# KiCad board FrontEnd_5G.kicad_pcb (continued)
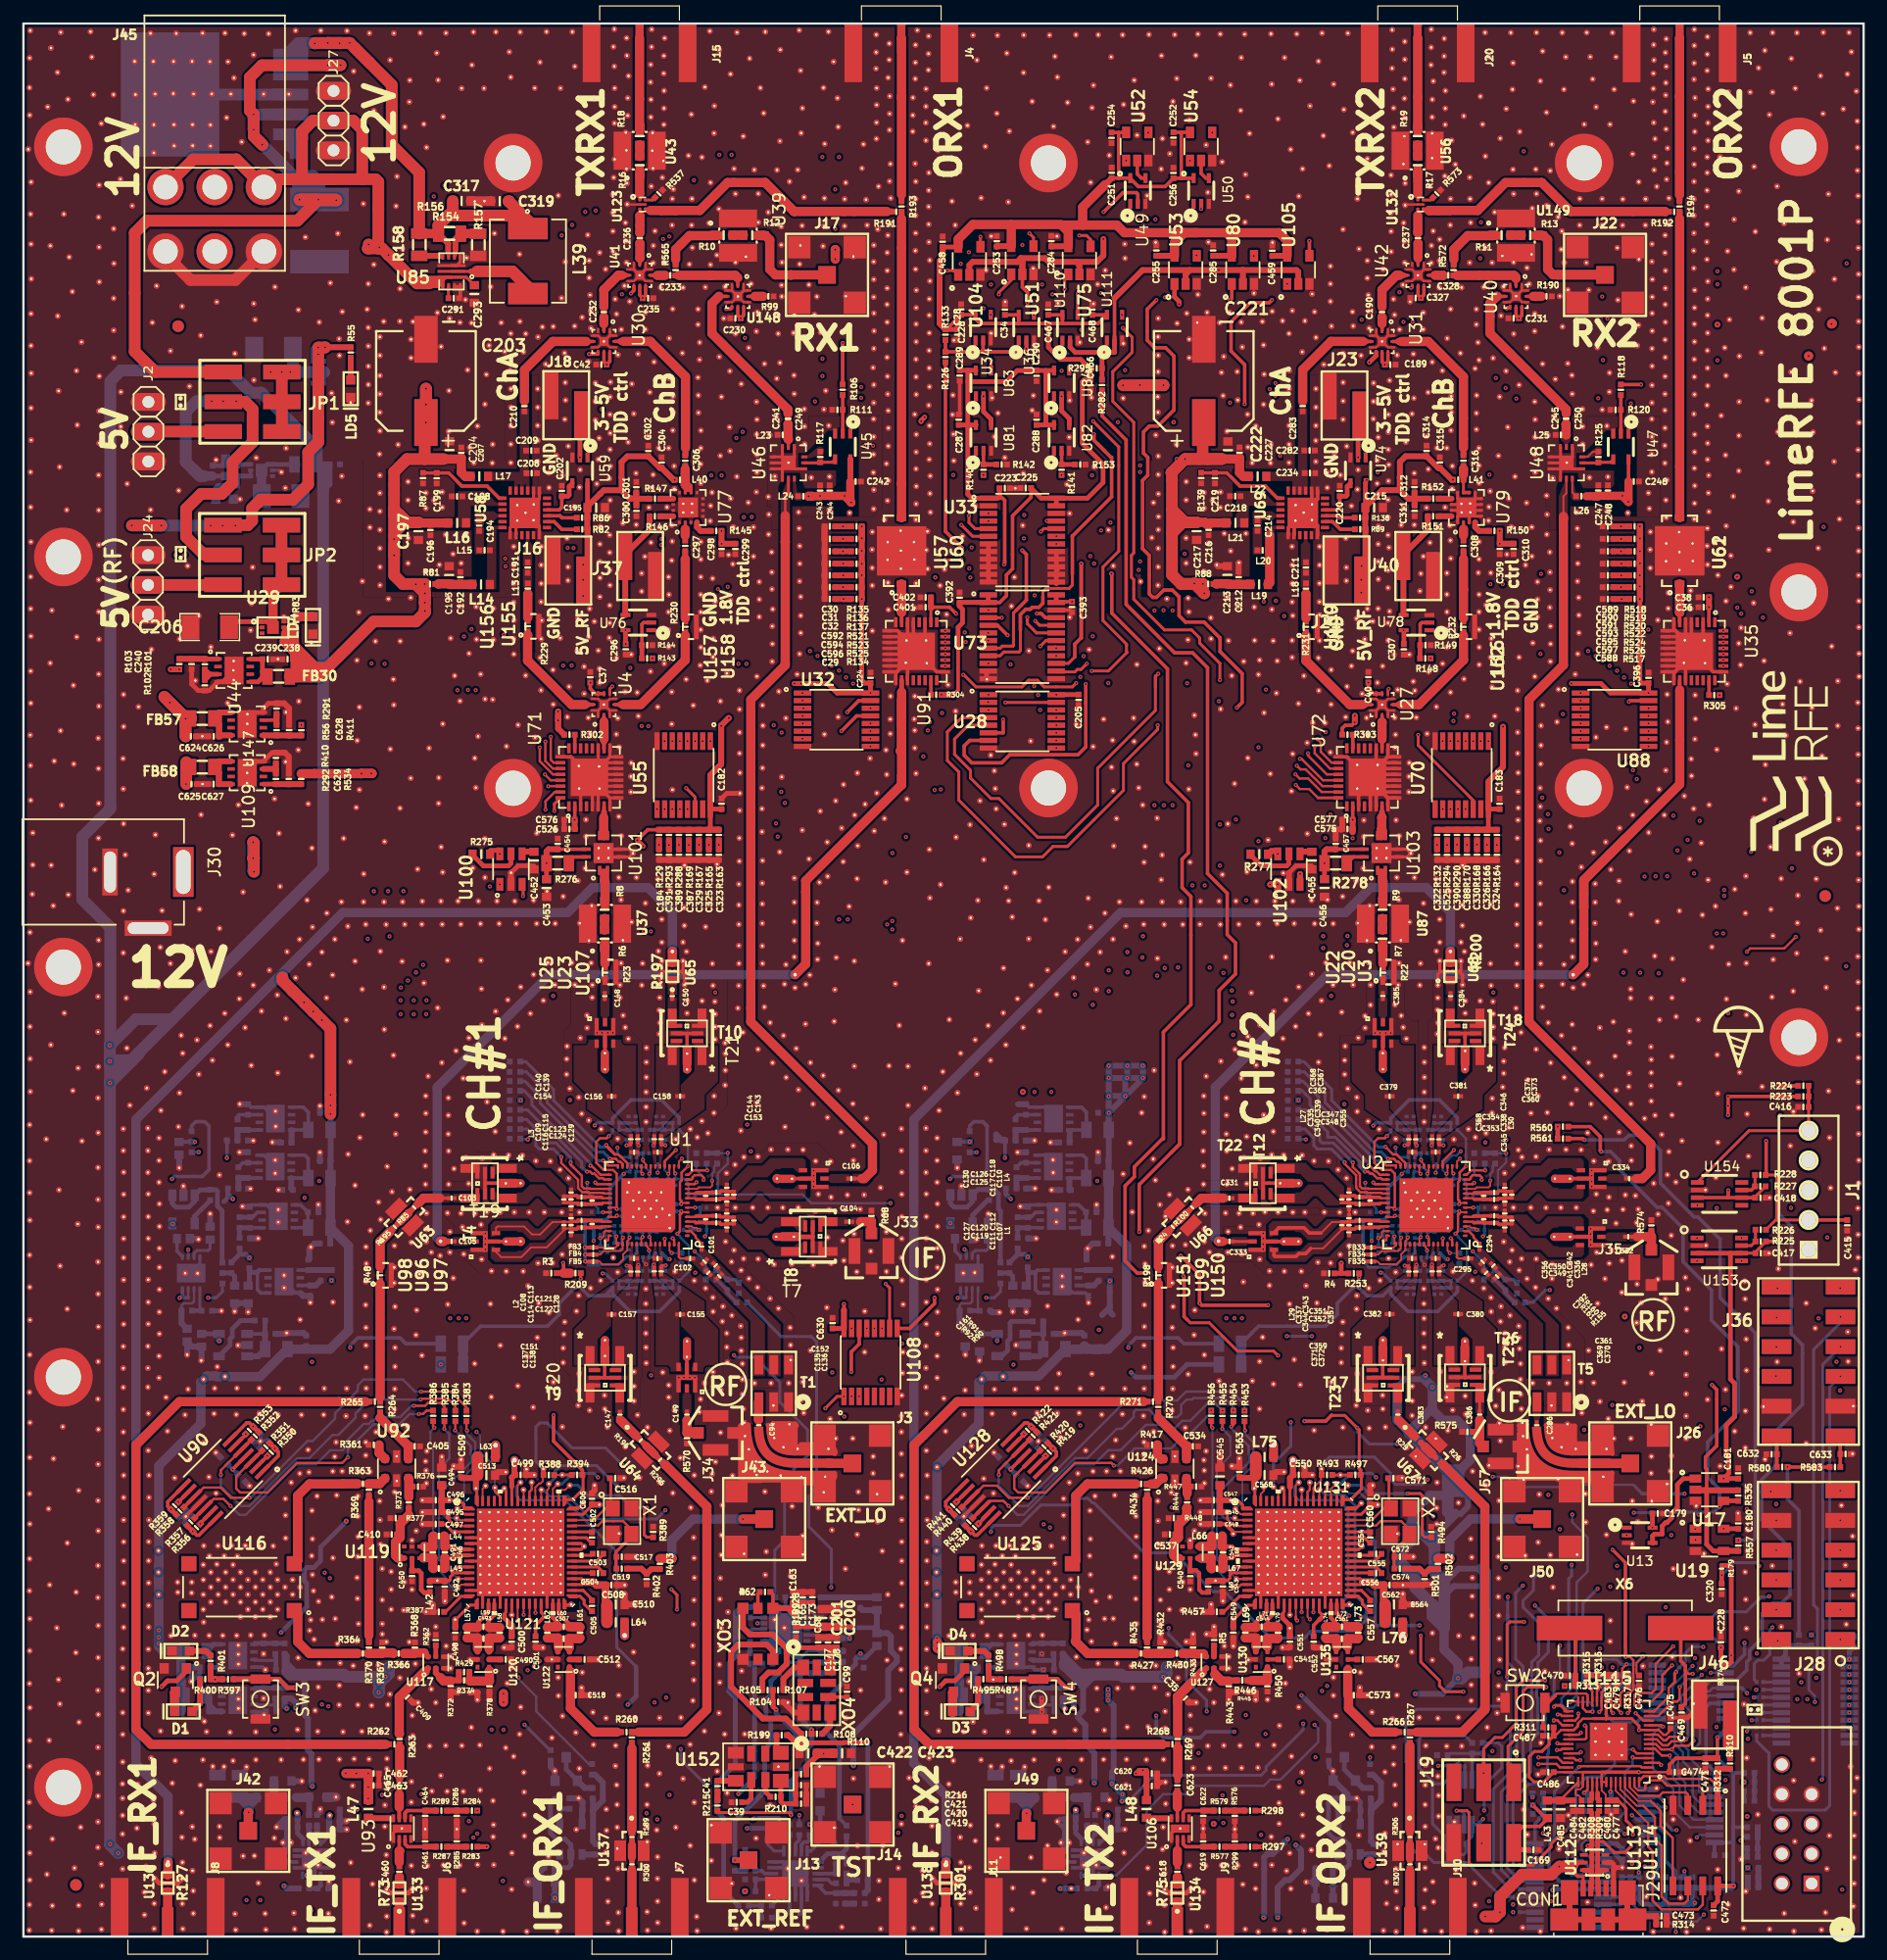
[diagram p0: board, top side]
## Routing (per net, layer and track width the routed paths; a pad name or vN(x,y) marks a point on that pad's centre or on a via; arc(x,y) is an arc through that point) (continued)
/RP2040_MCU/USB_BOOTn: length 2.9
  F.RO w0.5: R310.2 J46.1
/RP2040_MCU/USB_DM: length 1.7
  F.RO w0.2: 133.92,12.24 133.96,12.28 U115.46
  F.RO w0.4: 133.92,12.24 133.92,11.74 R308.2
/RP2040_MCU/USB_DM1: length 28.7
  F.RO w0.25: 133.92,7.73 v2(133.6,7.73)
  F.RO w0.4: CON1.2 133.92,4.2 133.92,5.37 ; 133.92,5.37 133.62,5.67 U112.6 133.92,5.67 133.92,5.66 ; 133.92,5.37 133.92,5.66 ; 133.92,5.66 133.92,7.73 ; R308.1 133.92,10.58 133.92,7.73 ; 133.92,7.73 v2(133.6,7.73)
  F.FR4 w0.25: v2(133.6,7.73) 134.28,7.05 137.3,7.05 137.45,6.9 145.58,6.9 146.19,7.5 149.71,7.5 150.15,7.06
  F.FR4 w0.5: 152.69,7.06 150.15,7.06
/RP2040_MCU/USB_DP: length 1.7
  F.RO w0.2: 134.42,12.24 134.36,12.3 U115.47
  F.RO w0.4: 134.42,12.24 134.42,11.73 R309.2
/RP2040_MCU/USB_DP1: length 27.9
  F.RO w0.25: v2(137.3,7.74) 136.75,7.19 135.83,7.19 134.9,8.12 134.42,8.12
  F.RO w0.4: CON1.3 134.42,4.17 134.42,5.37 ; 134.42,5.37 134.72,5.67 U112.1 134.42,5.67 134.42,5.69 ; 134.42,5.37 134.42,5.69 ; 134.42,5.69 134.42,10.59 R309.1
  F.FR4 w0.25: v2(137.3,7.74) 137.48,7.56 143.59,7.56 145.05,9.01 148.26,9.01 148.85,9.61 150.15,9.61
  F.FR4 w0.5: 152.69,9.61 150.15,9.61
/RP2040_MCU/VREG_OUT_1V1: length 18.1
  F.RO w0.15: v2(135.51,12.36) 135.56,12.41 U115.50
  F.RO w0.2: C483.2 134.76,20.86 U115.23 134.76,19.37 v2(134.56,19.17) ; 135.56,13.19 U115.50 ; v2(133.28,12.27) 133.56,12.55 U115.45
  F.FR4 w0.4: v2(135.51,12.36) 134.75,13.12 134.1,13.12 133.28,12.3 v2(133.28,12.27)
  B.FR4 w0.2: 134.84,18.69 134.84,18.89 v2(134.56,19.17)
  B.FR4 w0.25: 134.84,18.69 134.84,14.06 135.59,13.32 135.59,12.44 v2(135.51,12.36)
  B2.RO w0.15: v2(135.51,12.36) 135.56,12.36
  B2.RO w0.4: 133.29,12.28 133.56,12.28 ; 133.29,12.28 133.56,12.28 ; 133.29,12.28 v2(133.28,12.27) 133.29,12.28 ; 133.56,12.28 C481.2 133.56,12.28 ; 135.56,12.36 C478.2 135.56,12.36
/RP2040_MCU/XIN: length 16.7
  F.RO w0.2: 141.91,22.69 142.17,22.43 v2(142.54,22.43) ; 135.96,19.59 135.96,19.58 ; 135.96,19.59 U115.20 ; 135.96,19.59 135.96,19.56 v2(136.43,19.09)
  F.RO w0.3: C469.1 141.91,19.9 141.91,23.12 141.52,23.52 X6.1
  F.FR4 w0.2: 141.93,22.44 141.95,22.47 ; 141.93,22.44 141.54,22.06 140.91,22.06 139.02,20.17 137.19,20.17 136.43,19.41 v2(136.43,19.09) ; 141.93,22.44 142.53,22.44 v2(142.54,22.43)
/RP2040_MCU/XOUT: length 9.6
  F.RO w0.2: v2(135.73,19.07) 135.56,19.24 U115.21
  F.FR4 w0.2: v2(134.78,22.98) 134.76,22.96 133.18,22.96 131.57,21.35 v2(131.61,21.39)
  B.FR4 w0.2: v2(135.73,19.07) 134.98,19.82 134.98,22.78 ; 134.8,22.96 v2(134.78,22.98) 134.98,22.78 ; 134.8,22.96 134.79,22.96 134.8,22.96 ; 134.8,22.96 134.98,22.78
/SC1905_1/ADCIN0N(P7): length 14.5
  F.RO w0.15: v2(42.71,27.46) U121.25
  F.FR4 w0.2: v2(43.05,22.73) 42.71,23.07 v2(42.71,27.46)
  B.FR4 w0.25: v2(42.79,18.08) 41.87,19 41.87,20 42.76,20.89 42.76,21.85 43.05,22.14 v2(43.05,22.73)
  B2.RO w0.25: v2(42.79,18.08) 44.96,15.91 R381.1
/SC1905_1/ADCIN0P(P6): length 16.5
  F.RO w0.15: 42.21,26.96 42.2,26.97 42.2,28.4 U121.24
  F.FR4 w0.2: v2(42.28,22.11) 42.32,22.15 42.32,26.55 42.2,26.67 v2(42.2,26.96)
  B2.RO w0.15: 42.21,26.96 v2(42.2,26.96)
  B2.RO w0.2: R382.1 48.29,14.72 43.79,19.22 43.79,20.48 42.28,21.99 v2(42.28,22.11)
/SC1905_1/ADCIN1N(P10): length 44.8
  F.RO w0.15: v2(43.72,27.63) 43.72,28.4 U121.27
  F.RO w0.25: v2(40.94,4.75) 40.94,4.76
  F.FR4 w0.2: v2(44.08,23.51) 43.73,23.86 43.73,24.96 44.52,25.75 44.52,26.63 43.72,27.43 v2(43.72,27.63)
  F.FR4 w0.25: 41.01,4.82 v2(40.94,4.75) 30.61,4.75 30.14,5.22 v2(24.18,5.22)
  B.FR4 w0.2: 43.92,14.27 43.92,17.03 44.33,17.44 44.33,22.19 44.08,22.44 v2(44.08,23.51)
  B.FR4 w0.25: 43.92,14.27 43.92,14.09 44.16,13.85 44.16,11.43 43.94,11.21 42.18,11.21 41.32,10.35 41.32,8.48 40.94,8.1 v2(40.94,4.75)
  B2.RO w0.3: IC1.12 v2(24.18,5.22) IC1.11
/SC1905_1/ADCIN1P(P9): length 34.5
  F.RO w0.15: 43.22,27.38 43.22,28.4 U121.26 ; 43.22,27.38 43.22,27.07 ; 43.22,27.38 43.22,27.06 v2(43.31,26.97)
  F.RO w0.25: v2(28.52,10.85) 28.51,10.85 28.51,10.83
  F.FR4 w0.15: 43.34,26.94 v2(43.31,26.97) 43.34,26.94 ; 43.34,26.94 43.34,26.68
  F.FR4 w0.2: 43.34,26.94 43.34,23.3 v2(43.58,23.06)
  F.FR4 w0.25: v2(38.04,9.85) 37.65,9.85 37.3,10.2 33.47,10.2 33.4,10.27 30.25,10.27 29.67,10.85 v2(28.52,10.85)
  B.FR4 w0.2: 43.25,15.33 43.25,17.25 43.68,17.68 43.68,18.58 43.25,19.01 43.25,21.55 43.58,21.88 v2(43.58,23.06)
  B.FR4 w0.25: v2(38.04,9.85) 39.56,9.85 41.49,11.78 43.08,11.78 43.42,12.12 43.42,14.84 43.25,15.01 43.25,15.33
  B2.RO w0.2: R391.2 27.92,10.84
  B2.RO w0.25: v2(28.52,10.85) 28.5,10.83 R391.2
/SC1905_1/DGPIN0(P15): length 1.4
  F.RO w0.15: 39.46,38.46 39.21,38.21 U121.63
/SC1905_1/DGPIN1(P17): length 1
  F.RO w0.15: U121.56 42.71,38.12 42.7,38.13
/SC1905_1/EXTCLKIN(P20): length 3.2
  F.RO w0.15: C519.1 51.59,31.4
  F.RO w0.5: R403.2 53.61,31.36 R402.2 52.77,31.4 C519.1
/SC1905_1/MGPO0(P34): length 31.2
  F.RO w0.2: v2(33.96,46.51) 36.49,46.51 37.83,45.17 R383.2 ; v2(19.3,37.45) 17.72,37.45 16.85,38.32 15.38,38.32 U90.10
  F.RO w0.3: U90.10 R358.1
  B2.RO w0.2: v2(33.96,46.51) 33.43,46.51 32.4,47.54 29.04,47.54 28.55,47.05 28.55,46.6 26.61,44.66 26.61,44.2 24.7,42.29 24.25,42.29 19.41,37.45 v2(19.3,37.45)
/SC1905_1/MGPO1(P35): length 30.4
  F.RO w0.2: v2(33.91,45.83) 33.98,45.9 36.24,45.9 36.88,45.26 R384.2 ; v2(16.86,39.42) 16.86,39.8 U90.5
  F.RO w0.3: U90.5 R352.1
  B2.RO w0.2: v2(33.91,45.83) 29.55,45.83 28.56,44.84 ; v2(16.86,39.42) 16.86,38.48 18.6,36.74 19.29,36.74 23.37,40.82 24.41,40.82 26.4,42.81 26.89,42.81 28.36,44.28 28.36,44.64 28.56,44.84 ; 28.56,44.84 28.56,44.83 28.56,44.84
/SC1905_1/MGPO2(P37): length 27.3
  F.RO w0.2: v2(33.34,45.3) 34.3,45.3 34.54,45.54 35.65,45.54 35.95,45.24 R385.2 ; v2(17.68,36.75) 17.08,37.35 16.25,37.35 U90.12
  F.RO w0.3: U90.12 R357.1
  B2.RO w0.2: v2(33.34,45.3) 33.13,45.3 32.17,44.34 30.21,44.34 29.89,44.02 29.77,44.02 29.5,43.75 29.05,43.75 27.55,42.25 27.55,41.8 27.25,41.5 26.19,41.5 25,40.31 23.3,40.31 18.99,36 18.43,36 v2(17.68,36.75)
/SC1905_1/MGPO3(P38): length 24.4
  F.RO w0.2: v2(27.7,40.9) 27.22,40.42 23.34,40.42 20.82,37.9 18.5,37.9 18.17,38.23 18.17,39.27 U90.3 ; v2(33.76,44.59) 33.77,44.6 34.13,44.6 34.42,44.89 R386.2
  F.RO w0.3: U90.3 R351.1
  B2.RO w0.2: v2(27.7,40.9) 27.7,41.53 29.89,43.72 32.11,43.72 32.98,44.59 v2(33.76,44.59)
/SC1905_1/STATO: length 73.1
  F.RO w0.15: 42.45,38.76 42.2,38.51 42.2,37.18 U121.57
  F.RO w0.4: v2(11.8,21.32) 12.31,21.83 13.1,21.83 13.92,22.65 Q2.1
  F.FR4 w0.4: 42.14,18.9 43.82,18.9 44.71,19.79 v2(51.61,19.79)
  F.FR4 w0.5: 42.14,18.9 37.87,18.9 36.96,17.99 31.17,17.99 30.65,18.51 23.07,18.51 22.24,17.68 v2(21.48,17.68)
  B.FR4 w0.4: 20.94,18.23 18.72,18.23 18.29,18.66 17.74,18.66 16.3,20.09 14.62,20.09 13.4,21.32 v2(11.8,21.32)
  B.FR4 w0.5: 20.94,18.23 21.48,17.69 v2(21.48,17.68)
  B2.RO w0.2: 46.79,36.72 46.26,37.24 42.45,37.24 42.07,37.62 42.07,38.38 42.45,38.76
  B2.RO w0.25: 52.32,23.03 50.66,24.69 50.66,32.84 46.79,36.72
  B2.RO w0.4: v2(51.61,19.79) 52.32,20.5 52.32,23.03
/SC1905_1/VG0: length 3.3
  F.RO w0.3: v2(12.59,36.45) 12.32,36.72 12.32,37.1 13.68,38.46 U90.8
  F.RO w0.4: v2(12.59,36.45) R358.2
  B2.RO w0.3: v2(12.59,36.45) C404.2
/SC1905_1/VG1: length 3.4
  F.RO w0.3: v2(19.61,43.53) 19.61,43.52 R353.2 19.3,43.84 19.06,43.84 U90.7
  F.RO w0.4: R352.2 20.09,43.05 R353.2
/SC1905_1/VG2: length 3.4
  F.RO w0.3: 14.46,34.59 14.79,34.26 14.99,34.26 16.44,35.71
  F.RO w0.4: R357.2 v2(14.46,34.58)
  B2.RO w0.4: v2(14.46,34.58) 14.47,34.59 C403.2
/SC1905_1/VG3: length 3.3
  F.RO w0.3: U90.1 21.76,41.02 21.76,41.37 R350.2 v2(21.48,41.66)
  F.RO w0.4: R350.2 21.48,41.66 R351.2
/SC1905_1/WDTENB: length 12.5
  F.RO w0.15: 46.65,38.51 46.26,38.12 45.96,38.12 45.71,37.87 U121.50
  F.RO w0.25: R389.1 53.22,34.08 53.01,34.29 53.01,36.37 v2(53.24,36.6)
  B2.RO w0.25: v2(53.24,36.6) 51.95,36.6 50.91,37.64 48.21,37.64 47.34,38.51 46.65,38.51
/SC1905_2/ADCIN0N(P7): length 13.7
  F.RO w0.15: v2(109.15,27.69) U131.25
  F.FR4 w0.15: 109.16,24.23 109.37,24.44 109.37,27.47 v2(109.15,27.69)
  F.FR4 w0.2: 109.16,24.23 109.16,21.37 109.14,21.35 v2(109.14,20.59)
  B2.RO w0.4: R451.1 111.46,18.27 v2(109.14,20.59)
/SC1905_2/ADCIN0P(P6): length 29.4
  F.RO w0.15: U131.24 108.65,27.29
  F.RO w0.2: 108.65,27.08 v2(108.76,26.97) ; 108.65,27.08 v2(108.76,26.97) ; 108.65,27.08 v2(108.76,26.97) ; 108.65,27.08 108.65,27.29
  F.RO w0.25: v2(110.33,15.3) 110.32,15.3
  F.FR4 w0.2: 108.78,21.94 108.78,21.48 108.77,21.48 106.87,19.58 105.74,19.58 105.22,19.06 105.22,18.69 105.21,18.69 105.21,18.14 v2(106.06,17.29) ; 108.78,21.94 108.78,26.95 ; 108.78,21.94 108.78,26.95 ; 108.78,26.95 v2(108.76,26.97)
  F.FR4 w0.25: v2(114.99,15.29) 110.34,15.29 v2(110.33,15.3)
  B.FR4 w0.2: 108.67,16.27 107.65,17.29 v2(106.06,17.29) ; v2(108.76,26.97) 108.75,26.97
  B.FR4 w0.25: v2(110.33,15.3) 109.64,15.3 108.67,16.27
  B2.RO w0.2: 114.99,14.78 R452.1 v2(114.99,15.29)
/SC1905_2/ADCIN1N(P10): length 39.9
  F.RO w0.15: v2(110.15,27.68) U131.27
  F.FR4 w0.15: 110.17,23.05 110.17,23.12 111.48,24.43 111.48,26.21 110.15,27.54 v2(110.15,27.68)
  F.FR4 w0.2: 92.89,5.22 v2(92.9,5.23) 92.89,5.22 ; 92.89,5.22 v2(90.62,5.22) ; 110.17,23.05 110.17,18.15 v2(110.25,18.07)
  B2.RO w0.2: v2(92.9,5.23) 93.33,5.23 95.92,7.82 95.92,10.75 97.33,12.16 99.3,12.16 100,12.86 105.92,12.86 106.46,13.4 107.35,13.4 110.56,16.61 110.56,17.76 v2(110.25,18.07)
  B2.RO w0.3: IC2.11 v2(90.62,5.22) IC2.12
/SC1905_2/ADCIN1P(P9): length 29.4
  F.RO w0.15: v2(109.85,27.08) 109.65,27.28 U131.26
  F.FR4 w0.15: v2(109.85,27.08) 109.85,25.14 109.79,25.08 109.79,24.9
  F.FR4 w0.2: 109.79,24.9 109.79,18.69
  F.FR4 w0.25: 109.79,18.69 109.28,18.18 v2(109.28,18.17)
  B2.RO w0.25: R459.2 94.78,11.26 94.78,11.97 96.57,13.76 105.68,13.76 106.11,14.19 106.11,14.49 109.28,17.66 v2(109.28,18.17)
/SC1905_2/DGPIN0(P15): length 1.3
  F.RO w0.15: 105.92,38.37 105.92,38.03 105.65,37.76 U131.63
/SC1905_2/DGPIN1(P17): length 1
  F.RO w0.15: U131.56 109.15,38.13
/SC1905_2/EXTCLKIN(P20): length 3.2
  F.RO w0.15: C574.1 118.04,31.4
  F.RO w0.5: R502.2 120.05,31.36 R501.2 119.21,31.4 C574.1
/SC1905_2/MGPO0(P34): length 30.1
  F.RO w0.2: v2(85.74,37.45) 84.15,37.45 83.12,38.48 81.98,38.48 U128.10 ; v2(104.27,44.88) R453.2
  F.RO w0.3: R440.1 U128.10
  B2.RO w0.2: v2(85.74,37.45) 85.85,37.45 94.15,45.75 98.52,45.75 99.28,46.51 103.17,46.51 104.27,45.41 v2(104.27,44.88)
/SC1905_2/MGPO1(P35): length 31.4
  F.RO w0.2: v2(83.29,39.42) 83.29,39.79 U128.5 ; v2(103.31,44.91) 103.32,44.9 R454.2
  F.RO w0.3: U128.5 R421.1
  B2.RO w0.2: v2(83.29,39.42) 83.29,38.49 85.04,36.74 85.74,36.74 89.82,40.82 90.85,40.82 93.36,43.33 93.79,43.33 94.8,44.34 94.8,44.78 94.98,44.95 96.13,44.95 96.75,44.33 98.54,44.33 98.86,44.65 98.86,45.36 99.33,45.83 99.78,45.83 99.91,45.96 102.54,45.96 103.31,45.19 v2(103.31,44.91)
/SC1905_2/MGPO2(P37): length 28.3
  F.RO w0.2: v2(84.12,36.75) 83.69,37.18 82.55,37.18 81.51,36.14 U128.12 ; v2(102.4,44.87) 102.39,44.88 R455.2
  F.RO w0.3: U128.12 R439.1
  B2.RO w0.2: v2(84.12,36.75) 84.87,36 85.42,36 89.73,40.31 91.44,40.31 92.64,41.51 93.7,41.51 95.86,43.67 97.07,43.67 97.32,43.42 98.36,43.42 98.96,44.02 99.64,44.02 101.21,45.59 101.69,45.59 102.4,44.88 v2(102.4,44.87)
/SC1905_2/MGPO3(P38): length 24.3
  F.RO w0.2: U128.3 84.61,39.27 84.61,38.23 84.94,37.9 87.26,37.9 89.78,40.42 92.9,40.42 v2(93.12,40.2) ; v2(101.42,44.91) 101.42,44.89 R456.2
  F.RO w0.3: U128.3 R420.1
  B2.RO w0.2: v2(101.42,44.91) 101.42,44.72 99.19,42.49 98.84,42.49 98.01,41.66 94.89,41.66 93.43,40.2 v2(93.12,40.2)
/SC1905_2/STATO: length 67.6
  F.RO w0.15: 108.9,38.76 108.65,38.51 U131.57
  F.RO w0.25: v2(104.38,18.9) 104.39,18.9 104.39,18.9
  F.RO w0.4: v2(78.24,21.32) 78.75,21.83 79.54,21.83 80.36,22.66 Q4.1
  F.FR4 w0.2: v2(113.21,27.39) 112.21,26.39 112.21,23.44 111.76,22.99 111.26,22.99 110.89,22.62 v2(110.89,20.96)
  F.FR4 w0.4: 91.2,18.61 90.44,18.61 90.11,18.28 86.18,18.28 85.94,18.52 82.55,18.52 79.75,21.32 v2(78.24,21.32) ; 91.2,18.61 91.22,18.61 ; 91.2,18.61 93.05,18.61 94.35,19.91 97.85,19.91 98.84,18.92 98.84,18.54 99.1,18.28 103.76,18.28 v2(104.38,18.9) ; v2(110.89,20.96) v2(111.32,21.39)
  B.FR4 w0.4: v2(111.32,21.39) v2(110.89,20.96) 110.89,19.51 110.28,18.9 v2(104.38,18.9)
  B2.RO w0.2: 112.31,37.24 108.9,37.24 108.52,37.62 108.52,38.38 108.9,38.76
  B2.RO w0.25: 112.31,37.24 113.11,36.44 113.11,29.09 112.66,28.64 112.66,27.89 ; 112.66,27.89 113.16,27.39 ; 112.66,27.89 113.16,27.39 ; 113.16,27.39 v2(113.21,27.39)
/SC1905_2/VG0: length 3.3
  F.RO w0.3: U128.8 78.76,37.1 78.76,36.73 v2(79.03,36.46)
  F.RO w0.4: v2(79.03,36.46) R440.2
  B2.RO w0.3: v2(79.03,36.46) C539.2
/SC1905_2/VG1: length 3.4
  F.RO w0.3: U128.7 85.5,43.84 85.75,43.84 v2(86.06,43.53)
  F.RO w0.4: R421.2 v2(86.06,43.53)
/SC1905_2/VG2: length 3.4
  F.RO w0.3: U128.14 81.43,34.26 81.23,34.26 R438.2
  F.RO w0.4: R439.2 R438.2
  F.RO w0.5: v2(80.91,34.6) R438.2
/SC1905_2/VG3: length 3.3
  F.RO w0.3: R419.2 88.2,41.37 88.2,41.03 U128.1
  F.RO w0.4: v2(87.92,41.65) R419.2 87.91,41.67 R420.2
/SC1905_2/WDTENB: length 14
  F.RO w0.15: 113.1,38.51 112.71,38.12 112.4,38.12 112.15,37.87 U131.50
  F.RO w0.2: 119.45,34.3 119.67,34.08 R494.1
  F.RO w0.25: 119.45,34.3 119.45,37.62 119.26,37.81 v2(118.21,37.81)
  B2.RO w0.25: 117.07,37.81 118.26,37.81 v2(118.21,37.81) 117.07,37.81 ; 117.07,37.81 114.89,37.81 114.19,38.51 113.1,38.51
DATA_OUT_EN: length 334.9
  F.RO w0.2: 140.72,15.97 v2(140.75,15.97) ; 140.72,15.97 139.85,15.97 139.39,16.43 U115.7 ; 140.72,15.97 141.04,16.29 142.19,16.29 v2(142.61,16.71) ; v2(147.17,84.05) 147.45,84.33 150.36,84.33 v2(151.34,85.31)
  F.FR4 w0.2: v2(150.06,95.08) 149.7,94.72 146.95,94.72 146.49,95.19 144.7,95.19 ; 144.7,95.19 143.18,95.19 v1(143.14,95.22) ; 144.7,95.19 143.11,95.19
  F.FR4 w0.25: 68.27,96.72 68.28,96.71 ; 68.28,96.71 69.78,95.21 70.39,95.21 70.7,94.9 76.05,94.9 80.8,90.16 88,90.16 92.75,94.91 96.46,94.91 v1(102.17,94.91) ; 68.28,96.71 68.25,96.75 v1(65.02,96.75) 65,96.72 64.61,96.72 63.54,95.65 61.59,95.65 61.25,95.31 56.59,95.31 56.05,95.84 v1(56.05,96.22) ; 102.16,91.4 107.07,91.4 ; 107.07,91.4 107.28,91.61 109.61,91.61 110.22,91 112.33,91 113.08,91.75 114.74,91.75 115.14,91.34 116.96,91.34 117.28,91.66 118.72,91.66 119.29,92.23 123.59,92.23 123.79,92.03 126.18,92.03 126.93,92.78 130.39,92.78 130.93,93.32 130.93,96.15 129.88,97.2 v1(129.69,97.2) 129.53,97.04 126.88,97.04 125.46,95.62 122.8,95.62 122.49,95.93 v1(122.49,96.22) ; 107.07,91.4 v1(102.17,91.4)
  F.FR4 w0.3: v1(88.2,103.38) 85.39,103.38 83.63,101.62 77.47,101.62 77.06,102.04 75.48,102.04 74.34,103.18 72.79,103.18 72.44,103.53 v1(72.33,103.53) ; 107.28,91.61 107.07,91.4
  B.FR4 w0.2: 148.24,65.78 150.21,63.81 150.21,61.21 150.74,60.68 150.74,58.08 ; 148.24,65.78 148.23,65.78 ; 148.24,65.78 148.24,67.37 146.61,69 146.61,72.46 147.47,73.32 147.47,73.97 146.43,75.01 146.43,83.31 v2(147.17,84.05) ; v2(151.34,85.31) 150.91,85.74 150.91,88.26 149.34,89.83 149.34,91.52 150.06,92.24 v2(150.06,95.08) ; 151.63,29.21 151.63,37.84
  B.FR4 w0.25: 56.06,96.22 v1(56.05,96.22) ; v1(138.77,103.53) 138.77,103.53 ; v1(138.77,103.53) 139.52,103.53 140.1,102.95 143.03,102.95 143.58,102.4 143.58,101.6 143.14,101.16 143.14,95.22 143.11,95.19 v1(143.14,95.22) 142.91,94.99 137.14,94.99 136.92,95.21 136.07,95.21 135.54,94.68 133.04,94.68 132.35,95.37 131.49,95.37 129.66,97.2 v1(129.69,97.2) ; v1(138.77,103.53) 138.78,103.53 v1(138.77,103.53) ; 122.5,96.22 v1(122.49,96.22) ; 65.47,97.19 71.8,103.53 v1(72.33,103.53) ; 65.47,97.19 65.41,97.14 ; 65.47,97.19 v1(65.02,96.75) ; v1(102.17,94.91) v1(102.17,91.4) ; v1(102.17,94.91) v1(102.17,91.4) ; v1(102.17,94.91) v1(102.17,91.4) ; 71.48,71.88 71.48,70.77 71.14,70.43 71.14,68.99 71.64,68.49 71.64,64.25 71.08,63.69 71.08,62.94 70.79,62.65 70.79,61.43 71.43,60.78 71.43,58.28 71.83,57.88 71.83,55.37 72.67,54.53 v2(72.67,51.9) ; 71.48,71.88 71.48,72.06 ; 71.48,71.88 71.48,87.43 71.48,88.43 68.71,91.2 64.85,91.2 63.76,92.29 63.76,95.65 64.86,96.75 ; 151.63,37.84 151.62,37.84 151.62,38.15 149.97,39.8 149.97,40.68 150.32,41.03 150.32,46.21 149.07,47.46 149.07,53.56 150.74,55.23 150.74,58.08 ; 150.3,24.76 150.3,25.62 150.9,26.22 150.9,26.88 151.63,27.61 151.63,29.21
  B.FR4 w0.3: v1(72.33,103.53) 72.33,103.53 ; v1(88.2,103.38) 88.2,103.39 ; 150.3,24.76 147.18,21.64 v2(147.18,20.77) ; v1(65.02,96.75) 64.86,96.75
  B2.RO w0.2: U12.12 144.25,21.22 143.97,20.94 142.87,20.94 141.98,20.05 141.98,19.58 142.61,18.95 v2(142.61,16.71) ; v2(140.75,15.97) 140.95,15.77 140.95,15.76 141.28,15.43 141.28,13.76 141.9,13.14 141.9,11.75 143.03,10.62 U11.12
  B2.RO w0.25: 72.66,51.9 v2(72.67,51.9)
  B2.RO w0.3: v2(147.18,20.77) 146.74,21.22 U12.12
DATA_OUT_RSTn: length 393
  F.RO w0.2: v2(140.58,15.45) 139.9,15.45 139.32,16.03 U115.6
  F.RO w0.25: v1(131.54,89.29) 131.54,89.29
  F.RO w0.3: v1(69.85,102.88) 71.14,104.18 U32.13
  F.FR4 w0.2: v2(142.68,16.03) 141.85,16.03 141.27,15.45 v2(140.58,15.45) ; 117.45,87.28 118.83,88.66 120.19,88.66 120.44,88.41 121.09,88.41
  F.FR4 w0.25: 126.04,100.04 123.14,97.15 v1(123.14,96.22) ; 126.04,100.04 127.92,100.04 ; 126.04,100.04 127.92,100.04 ; 131.59,92.88 131.23,92.52 v1(131.16,92.52) ; 131.59,92.88 131.54,92.83 ; 131.59,92.88 131.59,93.73 131.83,93.97 132.78,93.97 134.24,95.43 134.93,95.43 136.38,96.88 136.38,99.24 135.64,99.98 135.64,100.62 135.28,100.98 130.6,100.98 ; v1(104.42,88.44) 105.49,87.36 113.58,87.36 113.5,87.28 117.45,87.28 ; v2(147.25,16.88) 146.01,16.88 145.16,16.03 142.65,16.03 ; 131.5,89.29 141.13,89.29 141.15,89.28 141.21,89.28 v1(142.66,90.73) 144.69,90.73 145.18,91.22 150.95,91.22 v2(151.01,91.16) ; 131.5,89.29 130.29,89.29 130.04,89.04 122.8,89.04 122.17,88.41 121.09,88.41 ; 131.5,89.29 v1(131.54,89.29) ; 127.92,100.04 128.53,100.65 ; 127.92,100.04 128.53,100.65 ; 128.53,100.65 128.59,100.71 130.08,100.71 130.35,100.98 130.6,100.98 ; 130.6,100.98 130.62,100.98 ; v1(56.7,96.22) 60.05,96.22 60.77,96.94 63.59,96.94 64.35,97.7 v1(64.71,97.7) 69.68,97.7 71.01,96.37 71.27,96.37 71.7,95.94 76.45,95.94 81.07,91.32 88.32,91.32 92.94,95.94 102.92,95.94 v1(103.53,95.33)
  F.FR4 w0.3: v2(72.02,51.9) 72.02,50.61 72.02,50.61 v2(75.04,50.61) ; v1(77.22,102.94) 77.85,102.31 83.41,102.31 85.14,104.03 v1(88.2,104.03)
  B.FR4 w0.25: 56.7,96.22 v1(56.7,96.22) ; 71.12,104.18 U32.13 ; 71.12,104.18 72.42,104.18 72.34,104.18 ; 71.12,104.18 64.71,97.76 v1(64.71,97.7) ; v1(123.14,96.22) 123.14,96.22 ; 74.7,70.38 74.7,75.12 86.3,86.71 ; v1(104.42,88.44) 103.53,89.33 v1(103.53,95.33) ; v1(142.66,90.73) 144.07,92.14 144.07,92.27 ; 144.07,92.27 144.07,95.33 144.73,95.99 144.73,97.21 144.07,97.87 144.07,104.23 143.75,104.55 139.93,104.55 139.55,104.18 v1(138.77,104.18) ; 144.07,92.27 144.07,93.15 144.07,92.58 ; 131.55,89.29 131.54,89.29 v1(131.54,89.29) 131.54,92.16 131.52,92.16 v1(131.16,92.52) ; 148.75,10.34 148.87,10.46 148.87,15.26 v2(147.25,16.88) ; 148.75,10.34 v2(146.62,8.21) ; 148.75,10.34 149.32,10.91 153.41,10.91 154.46,11.96 154.46,15.32 150.5,19.28 150.5,23.58 150.93,24.01 150.93,24.74 ; 150.93,24.74 150.93,24.68 ; 150.93,24.74 150.93,25.16 151.65,25.88 151.65,26.62 ; 151.65,26.62 151.65,26.75 ; 151.65,26.62 151.65,26.81 152.23,27.39 152.23,38.96 151.63,39.56 151.63,50.76 151.13,51.26 151.13,54.2 154.87,57.94 154.87,61.96 155.46,62.55 155.46,75.32 155.96,75.82 155.96,77.36 152.38,80.94 152.38,89.32 151.01,90.69 v2(151.01,91.16)
  B.FR4 w0.3: U32.13 72.33,104.18 U32.13 ; U32.13 72.34,104.18 ; 88.2,104.03 v1(88.2,104.03) 90.79,104.03 91.98,102.84 91.98,92.38 86.3,86.7 86.3,86.71 ; 74.7,70.38 75.53,69.55 75.53,57.67 75.75,57.45 75.75,51.28 75.07,50.61 v2(75.04,50.61) ; v1(77.22,102.94) 76.4,102.11 75.57,102.11 74.4,103.28 73.49,103.28 72.6,104.18 72.42,104.18 ; v1(69.85,102.88) 69.84,102.89 v1(69.85,102.88) ; v1(69.85,102.88) 69.85,102.9
  B.FR4 w0.4: v1(138.77,104.18) 138.77,104.18
  B2.RO w0.2: U11.13 142.63,9.98 141.41,11.19 141.41,12.92 140.87,13.46 140.87,14.96 140.58,15.25 v2(140.58,15.45) ; v2(142.68,16.03) 142.68,16.02 142.68,16.04 143.15,16.51 143.15,19.8 143.92,20.56 145.31,20.56 ; R59.2 147.02,8.35 146.76,8.35 v2(146.62,8.21)
  B2.RO w0.25: R59.2 146.93,8.52 v2(146.62,8.21)
  B2.RO w0.3: 72.01,51.9 v2(72.02,51.9)
DATA_SER_CLK: length 304
  F.RO w0.2: v2(141.97,16.84) 141.8,16.67 140.75,16.67 140.4,16.32 139.98,16.32 139.47,16.83 U115.8
  F.FR4 w0.25: 62.88,94.99 62.45,94.56 56.26,94.56 55.41,95.42 v1(55.41,96.22) ; 62.88,94.99 64.26,94.99 v1(64.26,95) 65.14,95 65.7,95.56 ; 62.88,94.99 65.13,94.99 65.7,95.56 ; 65.7,95.56 67.5,95.56 69.12,93.94 69.8,93.94 69.97,93.77 75.34,93.77 ; v1(138.77,102.88) 141.06,102.88 143.68,100.26 143.68,98.05 142.11,96.48 v1(142.11,93.59) ; 75.34,93.77 75.29,93.77 v1(75.36,93.84) ; 75.34,93.77 75.42,93.77 76.44,92.75 76.44,92.75 80.22,88.98 88.04,88.98 93,93.94 103.15,93.94 104.72,95.51 107.62,95.51 108.11,95.02 112.38,95.02 112.65,94.75 114.11,94.75 114.19,94.67 118.39,94.67 121.16,97.44 121.62,97.44 121.85,97.22 v1(121.85,96.22) 121.85,95.87 122.75,94.96 125.95,94.96 126.82,95.83 130.14,95.83 v1(130.18,95.79)
  F.FR4 w0.3: v1(88.2,102.73) 85.95,102.73 83.42,100.2 82.01,100.2 81.49,100.72 v1(76.84,100.72) ; v1(147.52,92.59) 145.79,94.32 142.67,94.32 142.11,93.76 v1(142.11,93.59)
  B.FR4 w0.25: 55.41,96.22 v1(55.41,96.22) ; v1(138.77,102.88) 138.77,102.87 ; 121.85,96.22 v1(121.85,96.22) ; 72.37,56.16 73.32,55.21 v2(73.32,51.9) ; 72,59.84 72,62.58 72.55,63.12 72.55,64.31 72.67,64.43 72.67,69 72.9,69.24 72.9,70.09 72.35,70.65 72.35,88.61 72.16,88.8 72.16,91.55 73.97,93.36 74.88,93.36 v1(75.36,93.84) ; 72.11,102.88 70.27,101.03 ; 72.11,102.88 70.27,101.03 ; 72.11,102.88 v1(72.33,102.88) 72.58,102.88 ; 70.27,101.03 70.27,100.66 65.37,95.75 ; 65.37,95.75 65.2,95.59 ; 65.37,95.75 64.61,95 ; 65.2,95.59 65.15,95.53 ; 65.2,95.59 64.61,95 ; 64.61,95 v1(64.26,95) 64.61,95 ; v1(142.11,93.59) 135.99,93.59 135.47,94.11 131.36,94.11 130.71,94.76 130.71,95.26 v1(130.18,95.79)
  B.FR4 w0.3: 72.33,102.87 v1(72.33,102.88) 72.83,102.88 73.3,102.41 73.36,102.41 75.05,100.72 v1(76.84,100.72) ; v1(88.2,102.73) 88.2,102.74 ; v1(76.84,100.72) 76.88,100.75 v1(76.84,100.72) ; 72,59.84 72.89,58.96 72.89,57.96 72.37,57.43 72.37,56.16 ; v1(147.52,92.59) 148.05,92.06 148.05,75.9 151.1,72.85 151.1,72.38 150.01,71.29 v2(150.01,70.09)
  B2.RO w0.2: 141.53,19.31 142.09,18.75 142.09,18.46 ; 141.53,19.31 141.53,20.48 142.58,21.53 143.78,21.53 144.12,21.87 U12.11 ; 141.53,19.31 142.11,18.73 142.11,16.98 v2(141.97,16.84) ; 141.62,18.46 141.49,18.46 141,17.97 141,16.43 141.72,15.71 141.72,14.96 142.54,14.14 142.54,12.02 143.29,11.28 U11.11 ; 141.62,18.46 142.09,18.46 ; 141.62,18.46 142.11,18.46 142.09,18.46
  B2.RO w0.3: 73.32,51.91 v2(73.32,51.9) ; 151.91,49.75 151.91,45.42 149.6,43.11 149.6,40.16 148.43,38.99 148.43,35.57 150.85,33.15 150.85,29.17 150.15,28.47 149.37,28.47 148.47,27.57 148.47,25.5 147.41,24.44 147.41,23.7 147.15,23.44 147.15,22.74 146.27,21.87 U12.11 ; 151.91,49.75 151.93,49.77 ; 151.91,49.75 151.91,50.5 150.96,51.45 150.96,60.62 149.91,61.67 149.91,69.99 v2(150.01,70.09)
DATA_SER_RSTn: length 295.7
  F.RO w0.2: v2(141.64,17.82) 141.64,17.37 141.32,17.05 140.55,17.05 140.24,16.74 140.06,16.74 139.57,17.23 U115.9
  F.RO w0.25: v2(73.63,55.71) 73.63,55.7 73.96,55.36 U108.10
  F.FR4 w0.2: v2(144.57,17.88) 141.7,17.88 v2(141.64,17.82)
  F.FR4 w0.25: 122.25,94.35 121.2,95.41 v1(121.2,96.22) ; 122.25,94.35 126.98,94.35 127.16,94.53 v1(130.23,94.53) ; 122.25,94.35 119.58,94.35 118.39,93.16 117.31,93.16 116.85,93.62 115.15,93.62 114.68,93.15 107.8,93.15 106.35,94.6 105.16,94.6 103.68,93.12 96.88,93.12 96.22,92.46 92.8,92.46 88.13,87.79 79.35,87.79 74.67,92.46 69.7,92.46 69.44,92.72 65.34,92.72 ; 64.85,93.21 64.39,93.67 64.39,93.91 64.35,93.87 ; 64.85,93.21 65.34,92.72 65.34,92.72 ; 64.85,93.21 64.19,93.87 63.56,93.87 ; 65.34,92.72 64.41,93.66 64.41,93.87 ; 63.56,93.87 63.37,93.68 61.92,93.68 61.18,92.94 60.57,92.94 59.57,93.94 56.08,93.94 54.79,95.23 54.79,96.19 v1(54.75,96.22) ; 63.56,93.87 64.41,93.87 ; 64.41,93.87 v1(64.41,93.87) ; v1(141.24,92.7) 140.89,93.05 v1(140.89,95.66)
  F.FR4 w0.3: v1(88.2,102.08) 86.86,102.08 83.73,98.95 82.22,98.95 81.49,99.68 80.27,99.68 80.27,99.68 76.71,99.68 75.49,100.9 74.99,100.9 73.67,102.23 v1(72.33,102.23) ; 74.67,92.46 74.67,92.47 v1(74.2,92.47) ; v1(74.2,92.47) 74.03,92.46 74.04,92.47 v1(74.2,92.47)
  B.FR4 w0.2: v2(144.57,17.88) 144.57,22.03 v2(144.08,22.52)
  B.FR4 w0.25: 54.75,96.22 v1(54.75,96.22) ; 72.2,102.23 71.36,101.39 ; 72.2,102.23 71.36,101.39 ; 72.2,102.23 71.36,101.39 ; 72.2,102.23 v1(72.33,102.23) 72.2,102.23 ; 71.36,101.39 71.36,100.5 64.73,93.87 v1(64.41,93.87) 64.35,93.87 ; 138.77,102.22 v1(138.77,102.23) ; v1(138.77,102.23) 138.78,102.23 v1(138.77,102.23) ; v1(138.77,102.23) 138.88,102.23 140.77,100.34 140.92,100.34 141.8,99.46 141.8,98.42 140.89,97.51 v1(140.89,95.66) ; 121.19,96.22 v1(121.2,96.22) ; 130.23,94.34 131.94,92.63 132.69,92.63 ; 144.94,33.54 144.94,32.52 145.84,31.62 145.84,30.5 145.56,30.22 145.56,28.35 144.24,27.03 144.24,22.66 144.09,22.51 ; 144.94,33.54 144.94,33.95 144.2,34.69 144.2,35.39 ; 144.94,33.54 144.94,33.97 144.2,34.71 144.2,35.39 ; 144.2,35.39 144.2,37.54 143.78,37.96 ; 143.78,37.96 143.72,38.02 143.72,38.03 ; 143.78,37.96 143.37,38.37 143.37,42 143.55,42.18 ; 143.55,42.18 143.56,42.19 ; 143.55,42.18 144.34,42.97 144.34,45.04 145.22,45.92 145.63,45.92 145.94,46.23 145.94,47.82 145.62,48.14 145.62,61.25 145.55,61.32 ; v2(73.63,55.71) 73.15,56.19
  B.FR4 w0.3: 72.33,102.22 v1(72.33,102.23) ; v1(88.2,102.08) 88.2,102.08 ; v1(74.2,92.47) 73.05,91.32 73.05,71.18 74.04,70.19 74.04,63.69 72.83,62.48 72.83,60 73.62,59.21 73.62,57.61 73.15,57.13 73.15,56.19 ; 145.62,60.88 145.62,62.31 144.68,63.25 144.68,63.58 143.82,64.44 143.82,72.76 143.66,72.92 143.66,76.69 143.84,76.87 143.84,79.3 143.11,80.03 143.11,84.08 142.33,84.86 142.33,89.92 141.24,91.01 v1(141.24,92.7) 141.24,92.25 140.91,91.92 133.66,91.92 132.95,92.63 132.69,92.63 ; v1(130.23,94.53) 130.23,94.34
  B.FR4 w0.4: v2(146.91,13.18) 146.91,13.57 145.44,15.04 145.44,17.51 145.07,17.88 v2(144.57,17.88)
  B2.RO w0.2: v2(144.08,22.52) U12.10 ; v2(141.64,17.82) 141.64,17.31 141.46,17.13 141.46,16.59 142.17,15.88 142.17,15.36 143.1,14.43 143.1,12.41 143.59,11.93 U11.10
